# Allegro board LAY-29615_B4.brd (continued)
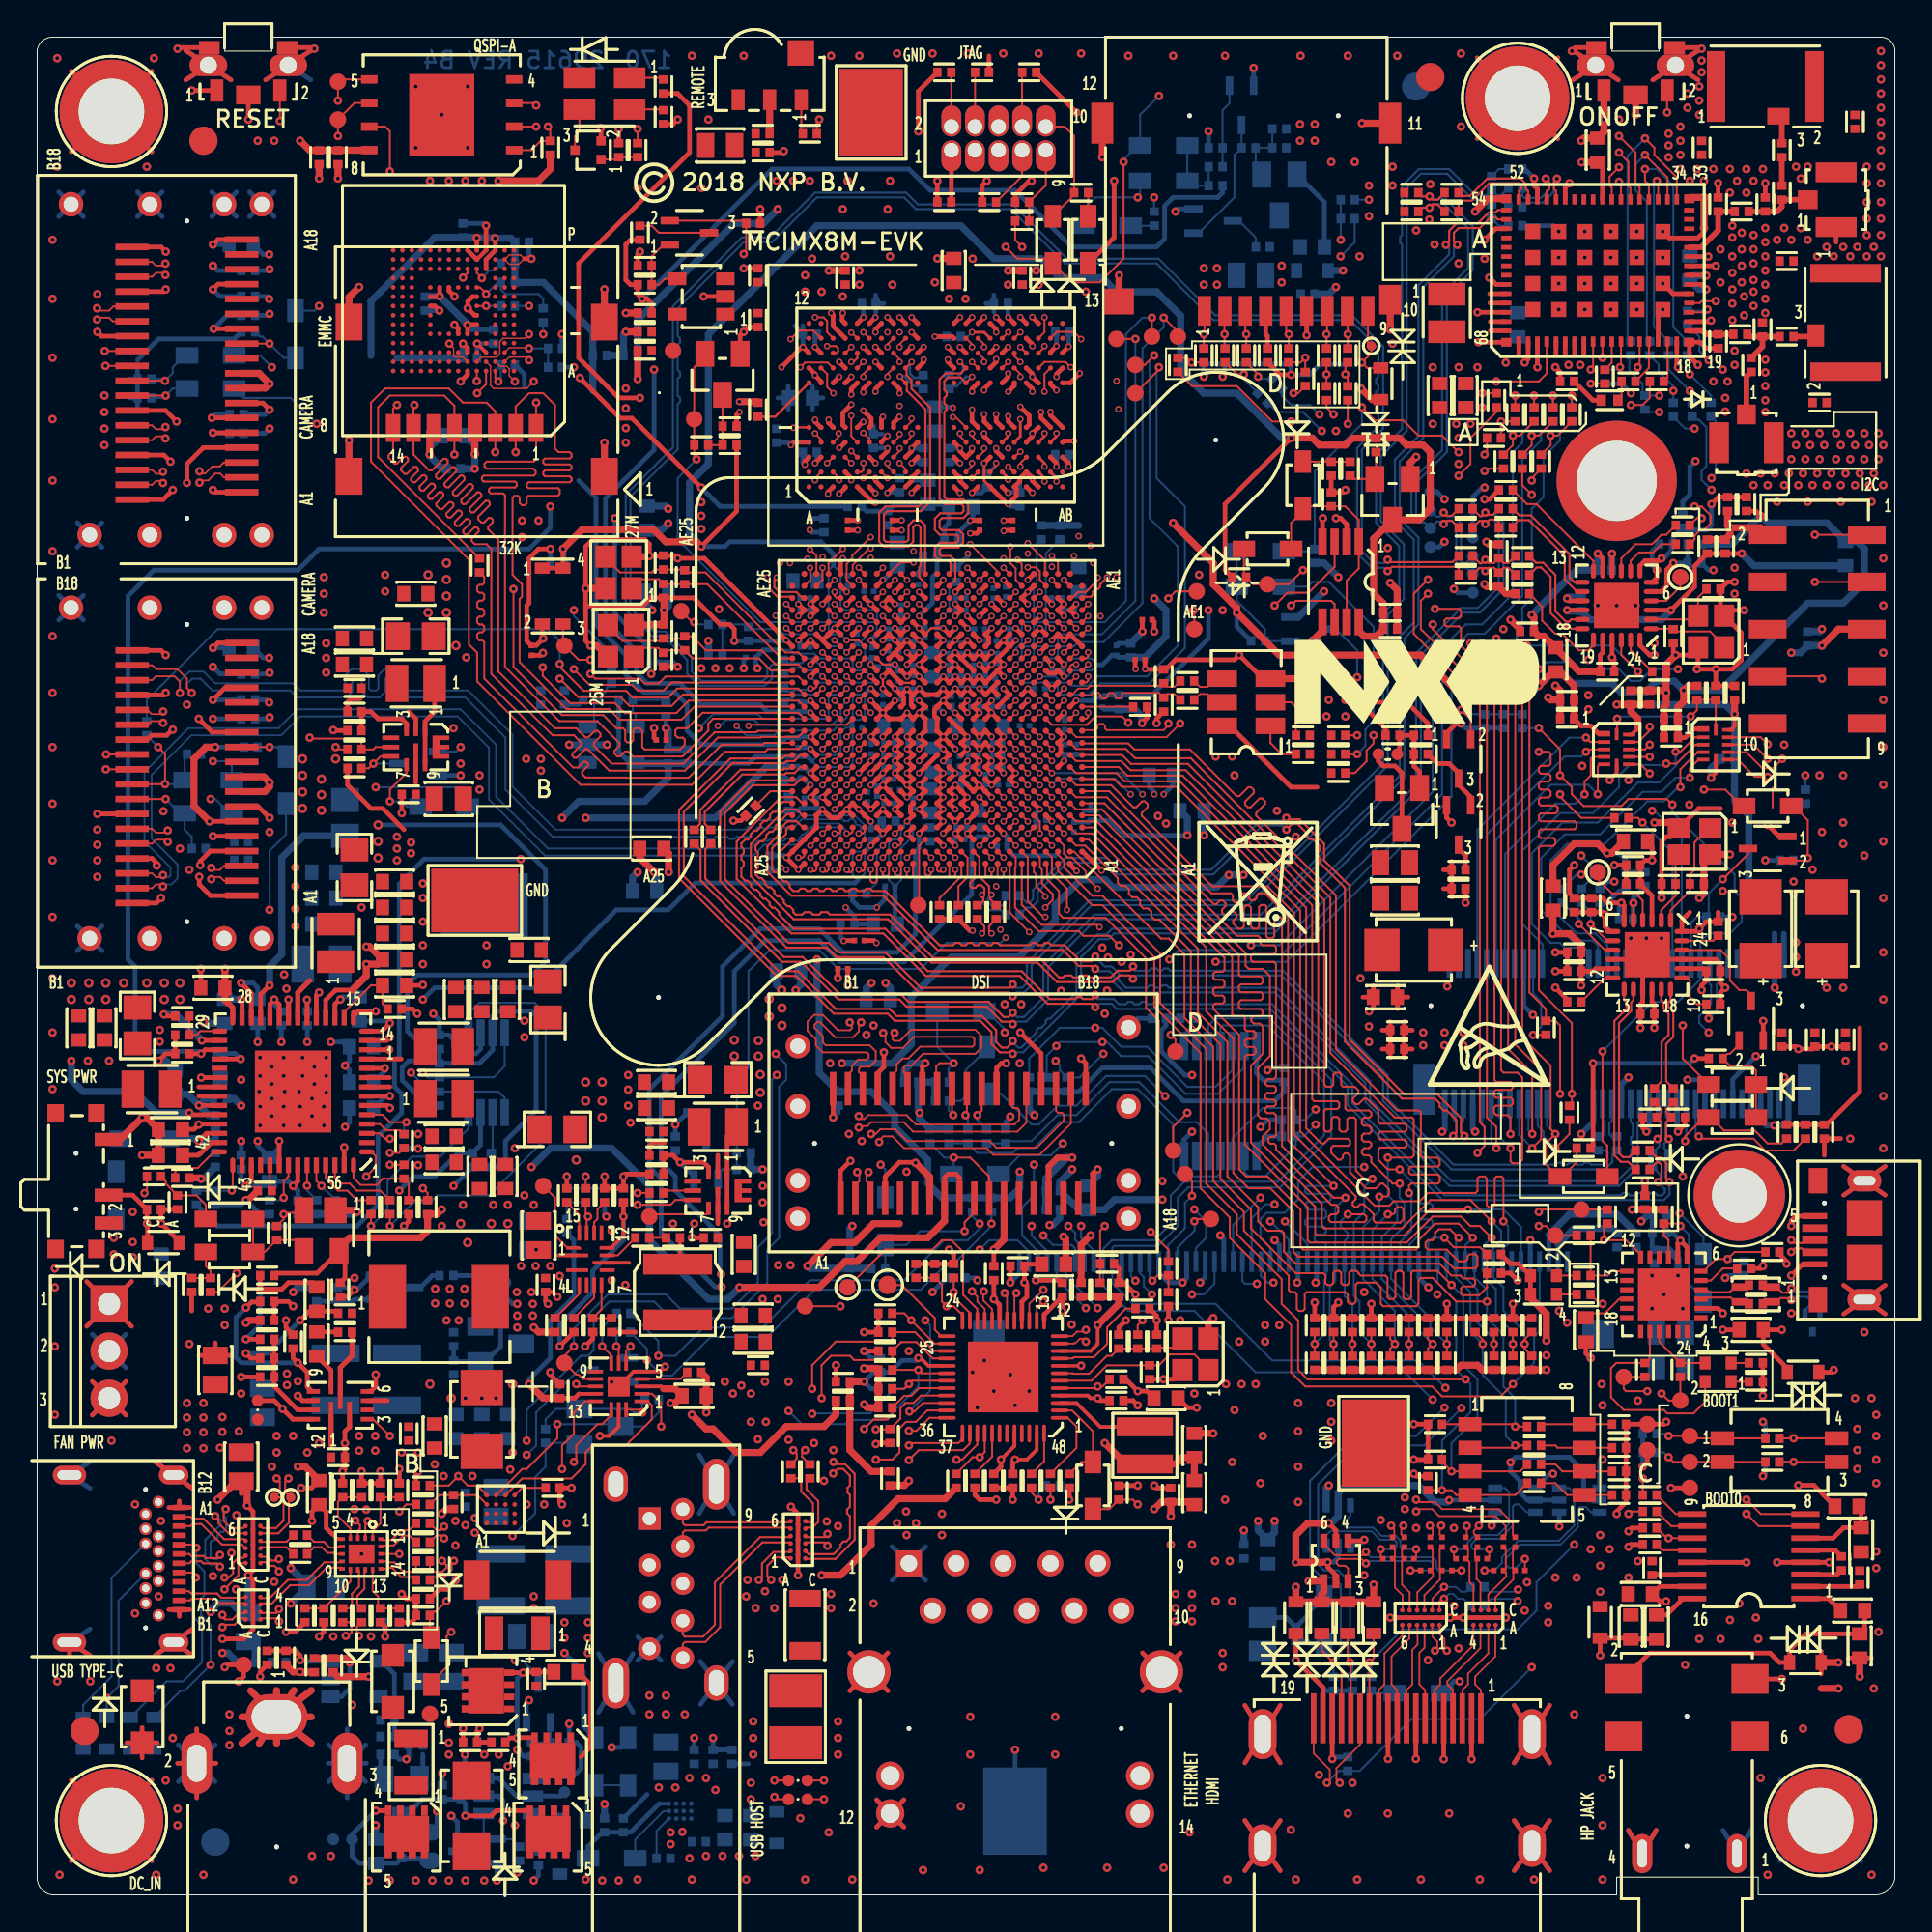
[diagram p0: board, top side]
## Footprints (pads in the part's own frame, mm; a bottom-side part is the same pattern mirrored in y, then rotated) (continued)
CON6_AUDJACK_RA_TH
  round 0.254 hole 1.499 unplated: (0.4,2.7) (7.4,2.7)
  oval 2.108x1.092 hole 1.499x0.508: 1(0,0) 4(0,5.1)
  rect 1.6x2.007 smd: 2(9.4,6.1) 3(9.4,-0.7) 5(6.3,6.1) 6(6.3,-0.7)
CON8_FLASH_1P1MM_SM
  rect 0.787x1.499 smd: P1(3.2,-1.95) P2(2.1,-1.95) P3(1,-1.95) P4(-0.1,-1.95) P5(-1.2,-1.95) P6(-2.3,-1.95) P7(-3.4,-1.95) P8(-4.5,-1.95)
  rect 1.448x1.981 smd: S1(6.875,-4.55) S2(-6.875,-4.55) S3(-6.875,3.75) S4(6.875,3.75)
CON9_SDCARD_1P1MM
  round 0.254 hole 0.991 unplated: (-4.95,-3.25) (3.05,-3.25)
  rect 0.711x1.6 smd: 1(2.25,7.25) 2(1.15,7.25) 3(0.05,7.25) 4(-1.05,7.25) 5(-2.15,7.25) 6(-3.25,7.25) 7(-4.35,7.25) 8(-5.45,7.25) 9(-6.55,7.25)
  rect 1.194x1.6 smd: 10(-7.75,6.65)
  rect 1.194x2.21 smd: 11(-7.75,-2.85) 12(7.75,-2.85)
  rect 1.6x1.397 smd: 13(6.85,6.75)
CON9_USBA_VER_7P32X25P7
  rect 1.219x1.219 hole 0.711: 1(0,0)
  round 1.219 hole 0.711: 2(0,-2.5) 3(0,-4.5) 4(0,-7) 5(1.8,-7.5) 6(1.8,-5.5) 7(1.8,-3.5) 8(1.8,-1.5) 9(1.8,0.5)
  oval 1.321x1.905 hole 0.813x1.397: S1(-1.81,1.85) S4(3.61,-8.85)
  oval 1.448x2.743 hole 0.813x2.108: S2(-1.81,-8.85) S3(3.61,1.85)
CON24_USB_TYPEC_RA_SMT_TH
  round 0.254 hole 0.66 unplated: (-6.775,-0.7) (0.675,-0.7)
  rect 0.305x0.711 smd: A1(-5.8,1.11) A2(-5.3,1.11) A3(-4.8,1.11) A4(-4.3,1.11) A5(-3.8,1.11) A6(-3.3,1.11) A7(-2.8,1.11) A8(-2.3,1.11) A9(-1.8,1.11) A10(-1.3,1.11) A11(-0.8,1.11) A12(-0.3,1.11)
  round 0.66 hole 0.406: B1(0,0) B2(-0.65,-0.7) B3(-1.45,-0.7) B4(-1.85,0) B5(-2.25,-0.7) B6(-2.65,0) B7(-3.45,0) B8(-3.85,-0.7) B9(-4.25,0) B10(-4.65,-0.7) B11(-5.45,-0.7) B12(-6.1,0)
  oval 1.016x1.6 hole 0.508x1.118: SH1(-7.55,0.81) SH2(1.45,0.81)
  oval 1.016x1.803 hole 0.508x1.295: SH3(-7.55,-4.8) SH4(1.45,-4.8)
CON_2RH_10_50
  oval 1.067x1.676 hole 0.787: 1(0,0) 2(0,1.27) 3(1.27,0) 4(1.27,1.27) 5(2.54,0) 6(2.54,1.27) 7(3.81,0) 8(3.81,1.27) 9(5.08,0) 10(5.08,1.27)
CON_3_UFL_R_SMT
  rect 1.016x1.067 smd: 1(0,1.524)
  rect 1.067x2.21 smd: 2(-1.476,0) 3(1.476,0)
CON_36_0P8_TH
  round 0.254 hole 1.549 unplated: (-8,0) (8,0)
  rect 0.356x1.803 smd: A1(-6.6,-2.95) A2(-5.8,-2.95) A3(-5,-2.95) A4(-4.2,-2.95) A5(-3.4,-2.95) A6(-2.6,-2.95) A7(-1.8,-2.95) A8(-1,-2.95) A9(-0.2,-2.95) A10(0.6,-2.95) A11(1.4,-2.95) A12(2.2,-2.95) A13(3,-2.95) A14(3.8,-2.95) A15(4.6,-2.95) A16(5.4,-2.95) A17(6.2,-2.95) A18(7,-2.95) B1(-7,2.95) B2(-6.2,2.95) B3(-5.4,2.95) B4(-4.6,2.95) B5(-3.8,2.95) B6(-3,2.95) B7(-2.2,2.95) B8(-1.4,2.95) B9(-0.6,2.95) B10(0.2,2.95) B11(1,2.95) B12(1.8,2.95) B13(2.6,2.95) B14(3.4,2.95) B15(4.2,2.95) B16(5,2.95) B17(5.8,2.95) B18(6.6,2.95)
  round 1.321 hole 0.813: T1(-8.9,-4.03) T2(-8.9,-2) T3(-8.9,2) T4(-8.9,5.24) T5(8.9,-4.03) T6(8.9,-2) T7(8.9,2) T8(8.9,6.24)
CON_75_0P5_22X9_RA
  rect 1.194x2.743 smd: (-10.35,2.825) (10.35,2.825)
  round 0.254 hole 1.092 unplated: (-10,-1.675)
  round 0.254 hole 1.6 unplated: (10,-1.675)
  rect 0.305x1.549 smd: 1(-9.25,3.6) 2(-9,-3.95) 3(-8.75,3.6) 4(-8.5,-3.95) 5(-8.25,3.6) 6(-8,-3.95) 7(-7.75,3.6) 8(-7.5,-3.95) 9(-7.25,3.6) 10(-7,-3.95) 11(-6.75,3.6) 12(-6.5,-3.95) 13(-6.25,3.6) 14(-6,-3.95) 15(-5.75,3.6) 16(-5.5,-3.95) 17(-5.25,3.6) 18(-5,-3.95) 19(-4.75,3.6) 20(-4.5,-3.95) 21(-4.25,3.6) 22(-4,-3.95) 23(-3.75,3.6) 32(-1.5,-3.95) 33(-1.25,3.6) 34(-1,-3.95) 35(-0.75,3.6) 36(-0.5,-3.95) 37(-0.25,3.6) 38(0,-3.95) 39(0.25,3.6) 40(0.5,-3.95) 41(0.75,3.6) 42(1,-3.95) 43(1.25,3.6) 44(1.5,-3.95) 45(1.75,3.6) 46(2,-3.95) 47(2.25,3.6) 48(2.5,-3.95) 49(2.75,3.6) 50(3,-3.95) 51(3.25,3.6) 52(3.5,-3.95) 53(3.75,3.6) 54(4,-3.95) 55(4.25,3.6) 56(4.5,-3.95) 57(4.75,3.6) 58(5,-3.95) 59(5.25,3.6) 60(5.5,-3.95) 61(5.75,3.6) 62(6,-3.95) 63(6.25,3.6) 64(6.5,-3.95) 65(6.75,3.6) 66(7,-3.95) 67(7.25,3.6) 68(7.5,-3.95) 69(7.75,3.6) 70(8,-3.95) 71(8.25,3.6) 72(8.5,-3.95) 73(8.75,3.6) 74(9,-3.95) 75(9.25,3.6)
CON_FPC_60F_0P5_SM_RA
  rect 1.702x1.524 smd: (-16.4,-2.15) (16.4,-2.15)
  rect 0.254x1.118 smd: 1(-14.75,1.75) 2(-14.25,1.75) 3(-13.75,1.75) 4(-13.25,1.75) 5(-12.75,1.75) 6(-12.25,1.75) 7(-11.75,1.75) 8(-11.25,1.75) 9(-10.75,1.75) 10(-10.25,1.75) 11(-9.75,1.75) 12(-9.25,1.75) 13(-8.75,1.75) 14(-8.25,1.75) 15(-7.75,1.75) 16(-7.25,1.75) 17(-6.75,1.75) 18(-6.25,1.75) 19(-5.75,1.75) 20(-5.25,1.75) 21(-4.75,1.75) 22(-4.25,1.75) 23(-3.75,1.75) 24(-3.25,1.75) 25(-2.75,1.75) 26(-2.25,1.75) 27(-1.75,1.75) 28(-1.25,1.75) 29(-0.75,1.75) 30(-0.25,1.75) 31(0.25,1.75) 32(0.75,1.75) 33(1.25,1.75) 34(1.75,1.75) 35(2.25,1.75) 36(2.75,1.75) 37(3.25,1.75) 38(3.75,1.75) 39(4.25,1.75) 40(4.75,1.75) 41(5.25,1.75) 42(5.75,1.75) 43(6.25,1.75) 44(6.75,1.75) 45(7.25,1.75) 46(7.75,1.75) 47(8.25,1.75) 48(8.75,1.75) 49(9.25,1.75) 50(9.75,1.75) 51(10.25,1.75) 52(10.75,1.75) 53(11.25,1.75) 54(11.75,1.75) 55(12.25,1.75) 56(12.75,1.75) 57(13.25,1.75) 58(13.75,1.75) 59(14.25,1.75) 60(14.75,1.75)
CON_RA_HDMI_19P_0P5_SM
  rect 0.305x2.692 smd: 1(4.5,5.375) 2(4,5.375) 3(3.5,5.375) 4(3,5.375) 5(2.5,5.375) 6(2,5.375) 7(1.5,5.375) 8(1,5.375) 9(0.5,5.375) 10(0,5.375) 11(-0.5,5.375) 12(-1,5.375) 13(-1.5,5.375) 14(-2,5.375) 15(-2.5,5.375) 16(-3,5.375) 17(-3.5,5.375) 18(-4,5.375) 19(-4.5,5.375)
  oval 1.499x2.692 hole 0.889x2.108: G1(7.25,4.525) G2(-7.25,4.525)
  oval 1.499x2.286 hole 0.889x1.676: G3(7.25,-1.475) G4(-7.25,-1.475)
CON_RJ45_10F_100_TH_RA
  round 0.254 hole 3.2 unplated: (-11.435,8.89) (-0.005,8.89)
  rect 1.397x1.397 hole 0.889: 1(0,0)
  round 1.397 hole 0.889: 2(-1.27,2.54) 3(-2.54,0) 4(-3.81,2.54) 5(-5.08,0) 6(-6.35,2.54) 7(-7.62,0) 8(-8.89,2.54) 9(-10.16,0) 10(-11.43,2.54)
  round 1.524 hole 1.016: 11(1.005,11.43) 12(1.005,13.46) 13(-12.445,11.43) 14(-12.445,13.46)
  round 2.337 hole 1.702: 15(-13.595,5.84) 16(2.155,5.84)
CON_USB_TYPE_B_SM
  round 0.254 hole 0.66 unplated: (-2,2.15) (2,2.15)
  rect 0.33x1.346 smd: 1(-1.3,2.675) 5(1.3,2.675)
  rect 0.406x1.346 smd: 2(-0.65,2.675) 3(0,2.675) 4(0.65,2.675)
  oval 1.143x1.829 hole 0.508x1.194: S1(-3.2,0) S2(3.2,0)
  rect 1.905x1.905 smd: S3(-1.2,0) S4(1.2,0)
  rect 1.372x0.991 smd: S5(-3.2,2.5) S6(3.2,2.5)
DFN3P3X3P3_8L_EX
  rect 0.559x0.356 smd: 1(-1.42,0.975) 2(-1.42,0.325) 3(-1.42,-0.325) 4(-1.42,-0.975)
  custom 2.28x2.45 smd: 5(0,0)
DFN15_0P4_2X3
  custom 0.813x0.203 smd: 1(-0.9,0.6)
  rect 1.194x0.203 smd: 2(-0.709,0.2) 3(-0.709,-0.6) 9(0.709,-0.2)
  rect 0.203x0.813 smd: 4(-0.6,-1.4) 5(-0.2,-1.4) 6(0.2,-1.4) 7(0.6,-1.4) 12(0.6,1.4) 13(0.2,1.4) 14(-0.2,1.4) 15(-0.6,1.4)
  rect 0.813x0.203 smd: 8(0.9,-0.6) 10(0.9,0.2) 11(0.9,0.6)
DHXQFN18_0P4_2X2P45
  custom 0.305x0.203 smd: 1(-0.85,0.6) 2(-0.85,0.2) 3(-0.85,-0.2) 4(-0.85,-0.6) 10(0.85,-0.6) 11(0.85,-0.2) 12(0.85,0.2) 13(0.85,0.6)
  custom 0.203x0.305 smd: 5(-0.8,-1.05) 6(-0.4,-1.05) 7(0,-1.05) 8(0.4,-1.05) 9(0.8,-1.05) 14(0.8,1.05) 15(0.4,1.05) 16(0,1.05) 17(-0.4,1.05) 18(-0.8,1.05)
  rect 1.016x1.397 smd: 19(0,0)
DIODE2_SOD523
  rect 0.61x0.813 smd: 1(-0.85,0) 2(0.85,0)
FBGA153_0P5_11P5X13
  round 0.254 smd: A1(-3.25,3.25) A2(-2.75,3.25) A3(-2.25,3.25) A4(-1.75,3.25) A5(-1.25,3.25) A6(-0.75,3.25) A7(-0.25,3.25) A8(0.25,3.25) A9(0.75,3.25) A10(1.25,3.25) A11(1.75,3.25) A12(2.25,3.25) A13(2.75,3.25) A14(3.25,3.25) B1(-3.25,2.75) B2(-2.75,2.75) B3(-2.25,2.75) B4(-1.75,2.75) B5(-1.25,2.75) B6(-0.75,2.75) B7(-0.25,2.75) B8(0.25,2.75) B9(0.75,2.75) B10(1.25,2.75) B11(1.75,2.75) B12(2.25,2.75) B13(2.75,2.75) B14(3.25,2.75) C1(-3.25,2.25) C2(-2.75,2.25) C3(-2.25,2.25) C4(-1.75,2.25) C5(-1.25,2.25) C6(-0.75,2.25) C7(-0.25,2.25) C8(0.25,2.25) C9(0.75,2.25) C10(1.25,2.25) C11(1.75,2.25) C12(2.25,2.25) C13(2.75,2.25) C14(3.25,2.25) D1(-3.25,1.75) D2(-2.75,1.75) D3(-2.25,1.75) D4(-1.75,1.75) D12(2.25,1.75) D13(2.75,1.75) D14(3.25,1.75) E1(-3.25,1.25) E2(-2.75,1.25) E3(-2.25,1.25) E5(-1.25,1.25) E6(-0.75,1.25) E7(-0.25,1.25) E8(0.25,1.25) E9(0.75,1.25) E10(1.25,1.25) E12(2.25,1.25) E13(2.75,1.25) E14(3.25,1.25) F1(-3.25,0.75) F2(-2.75,0.75) F3(-2.25,0.75) F5(-1.25,0.75) F10(1.25,0.75) F12(2.25,0.75) F13(2.75,0.75) F14(3.25,0.75) G1(-3.25,0.25) G2(-2.75,0.25) G3(-2.25,0.25) G5(-1.25,0.25) G10(1.25,0.25) G12(2.25,0.25) G13(2.75,0.25) G14(3.25,0.25) H1(-3.25,-0.25) H2(-2.75,-0.25) H3(-2.25,-0.25) H5(-1.25,-0.25) H10(1.25,-0.25) H12(2.25,-0.25) H13(2.75,-0.25) H14(3.25,-0.25) J1(-3.25,-0.75) J2(-2.75,-0.75) J3(-2.25,-0.75) J5(-1.25,-0.75) J10(1.25,-0.75) J12(2.25,-0.75) J13(2.75,-0.75) J14(3.25,-0.75) K1(-3.25,-1.25) K2(-2.75,-1.25) K3(-2.25,-1.25) K5(-1.25,-1.25) K6(-0.75,-1.25) K7(-0.25,-1.25) K8(0.25,-1.25) K9(0.75,-1.25) K10(1.25,-1.25) K12(2.25,-1.25) K13(2.75,-1.25) K14(3.25,-1.25) L1(-3.25,-1.75) L2(-2.75,-1.75) L3(-2.25,-1.75) L12(2.25,-1.75) L13(2.75,-1.75) L14(3.25,-1.75) M1(-3.25,-2.25) M2(-2.75,-2.25) M3(-2.25,-2.25) M4(-1.75,-2.25) M5(-1.25,-2.25) M6(-0.75,-2.25) M7(-0.25,-2.25) M8(0.25,-2.25) M9(0.75,-2.25) M10(1.25,-2.25) M11(1.75,-2.25) M12(2.25,-2.25) M13(2.75,-2.25) M14(3.25,-2.25) N1(-3.25,-2.75) N2(-2.75,-2.75) N3(-2.25,-2.75) N4(-1.75,-2.75) N5(-1.25,-2.75) N6(-0.75,-2.75) N7(-0.25,-2.75) N8(0.25,-2.75) N9(0.75,-2.75) N10(1.25,-2.75) N11(1.75,-2.75) N12(2.25,-2.75) N13(2.75,-2.75) N14(3.25,-2.75) P1(-3.25,-3.25) P2(-2.75,-3.25) P3(-2.25,-3.25) P4(-1.75,-3.25) P5(-1.25,-3.25) P6(-0.75,-3.25) P7(-0.25,-3.25) P8(0.25,-3.25) P9(0.75,-3.25) P10(1.25,-3.25) P11(1.75,-3.25) P12(2.25,-3.25) P13(2.75,-3.25) P14(3.25,-3.25)
FUSE_1P8_2P2X1P5
  rect 1.092x1.499 smd: 1(-0.896,0) 2(0.896,0)
FUSE_3P4X1P8
  rect 0.991x1.803 smd: 1(-1.25,0) 2(1.25,0)
HDR1X3_TH
  rect 2.007x2.007 hole 1.194: 1(0,0)
  round 2.007 hole 1.194: 2(0,-2.54) 3(0,-5.08)
HX2QFN16_0P4_2P7X2P7
  rect 0.813x0.203 smd: 1(-1.25,0.8) 2(-1.25,0.4) 3(-1.25,0) 4(-1.25,-0.4) 5(-1.25,-0.8) 9(1.25,-0.8) 10(1.25,-0.4) 11(1.25,0) 12(1.25,0.4) 13(1.25,0.8)
  rect 0.203x0.813 smd: 6(-0.4,-1.25) 7(0,-1.25) 8(0.4,-1.25) 14(0.4,1.25) 15(0,1.25) 16(-0.4,1.25)
  rect 1.194x1.092 smd: 17(0,0)
IND2_4P3X4P3
  rect 1.118x3.708 smd: 1(-1.5,0) 2(1.5,0)
IND4_CHOKE_0805
  rect 0.914x0.406 smd: 1(-0.85,-0.4) 2(0.85,-0.4) 3(0.85,0.4) 4(-0.85,0.4)
IND_IHLP
  rect 2.007x3.429 smd: 1(-2.794,0) 2(2.743,0)
IND_SPH2520
  rect 1.219x2.007 smd: 1(-1.01,0) 2(1.01,0)
IND_VLS3012_SM
  rect 1.016x3.023 smd: 1(-1,0) 2(1,0)
LED_1X0P6_SM
  rect 0.508x0.61 smd: A(0.45,0) C(-0.45,0)
LED_0606
  rect 0.6x0.7 smd: 1(-0.7,0.5) 2(0.7,0.5) 3(-0.7,-0.5) 4(0.7,-0.5)
LED_DUAL_3025MM_SM
  rect 1.702x1.118 smd: 1(-1.35,-0.85) 2(1.35,-0.85) 3(-1.35,0.85) 4(1.35,0.85)
MH194-116T
  round 4.928 hole 2.946: 1(0,0)
MH244-166T
  round 6.477 hole 4.318: 1(0,0)
OSC6_1P27_5P2X3P4
  rect 1.6x0.889 smd: 1(-1.3,1.27) 2(-1.3,0) 3(-1.3,-1.27) 4(1.3,-1.27) 5(1.3,0) 6(1.3,1.27)
QFN12_0P5_2X3MM_EP
  rect 0.711x0.254 smd: 1(-0.95,0.5) 2(-0.95,0) 3(-0.95,-0.5) 7(0.95,-0.5) 8(0.95,0) 9(0.95,0.5)
  rect 0.254x0.914 smd: 4(-0.5,-1.35) 5(0,-1.35) 6(0.5,-1.35)
  custom 1.25x0.9 smd: 10(0,1.35)
  rect 0.406x0.254 smd: 11(0,0)
QFN12_0P5_3P1X2P1
  rect 0.254x1.499 smd: 1(0.5,0.55) 2(-0.5,0.55) 7(0,-0.55)
  rect 0.711x0.254 smd: 3(-1.45,0.75) 4(-1.45,0.25) 5(-1.45,-0.25) 6(-1.45,-0.75) 9(1.45,-0.75) 10(1.45,-0.25) 11(1.45,0.25) 12(1.45,0.75)
  rect 0.254x0.711 smd: 8(0.5,-0.95)
QFN24_0P5_4X4_EP
  rect 0.711x0.279 smd: 1(-2,1.25) 2(-2,0.75) 3(-2,0.25) 4(-2,-0.25) 5(-2,-0.75) 6(-2,-1.25) 13(2,-1.25) 14(2,-0.75) 15(2,-0.25) 16(2,0.25) 17(2,0.75) 18(2,1.25)
  rect 0.279x0.711 smd: 7(-1.25,-2) 8(-0.75,-2) 9(-0.25,-2) 10(0.25,-2) 11(0.75,-2) 12(1.25,-2) 19(1.25,2) 20(0.75,2) 21(0.25,2) 22(-0.25,2) 23(-0.75,2) 24(-1.25,2)
  rect 2.794x2.794 smd: 25(0,0)
QFN24_0P5_4X4_EP2P2
  oval 0.813x0.279 smd: 1(-1.86,1.25) 2(-1.86,0.75) 3(-1.86,0.25) 4(-1.86,-0.25) 5(-1.86,-0.75) 6(-1.86,-1.25) 13(1.86,-1.25) 14(1.86,-0.75) 15(1.86,-0.25) 16(1.86,0.25) 17(1.86,0.75) 18(1.86,1.25)
  oval 0.279x0.813 smd: 7(-1.25,-1.86) 8(-0.75,-1.86) 9(-0.25,-1.86) 10(0.25,-1.86) 11(0.75,-1.86) 12(1.25,-1.86) 19(1.25,1.86) 20(0.75,1.86) 21(0.25,1.86) 22(-0.25,1.86) 23(-0.75,1.86) 24(-1.25,1.86)
  rect 2.438x2.438 smd: 25(0,0)
QFN48_0P4_6X6MM_EPAD
  oval 0.965x0.203 smd: 1(-3.038,2.2) 2(-3.038,1.8) 3(-3.038,1.4) 4(-3.038,1) 5(-3.038,0.6) 6(-3.038,0.2) 7(-3.038,-0.2) 8(-3.038,-0.6) 9(-3.038,-1) 10(-3.038,-1.4) 11(-3.038,-1.8) 12(-3.038,-2.2) 25(3.038,-2.2) 26(3.038,-1.8) 27(3.038,-1.4) 28(3.038,-1) 29(3.038,-0.6) 30(3.038,-0.2) 31(3.038,0.2) 32(3.038,0.6) 33(3.038,1) 34(3.038,1.4) 35(3.038,1.8) 36(3.038,2.2)
  oval 0.203x0.965 smd: 13(-2.2,-3.038) 14(-1.8,-3.038) 15(-1.4,-3.038) 16(-1,-3.038) 17(-0.6,-3.038) 18(-0.2,-3.038) 19(0.2,-3.038) 20(0.6,-3.038) 21(1,-3.038) 22(1.4,-3.038) 23(1.8,-3.038) 24(2.2,-3.038) 37(2.2,3.038) 38(1.8,3.038) 39(1.4,3.038) 40(1,3.038) 41(0.6,3.038) 42(0.2,3.038) 43(-0.2,3.038) 44(-0.6,3.038) 45(-1,3.038) 46(-1.4,3.038) 47(-1.8,3.038) 48(-2.2,3.038)
  rect 3.81x3.81 smd: 49(0,0)
QFN56_0P5_8X8_EP4P1X4P4
  oval 0.838x0.279 smd: 1(-3.969,3.25) 14(-3.969,-3.25) 29(3.969,-3.25) 42(3.969,3.25)
  rect 0.838x0.279 smd: 2(-3.969,2.75) 3(-3.969,2.25) 4(-3.969,1.75) 5(-3.969,1.25) 6(-3.969,0.75) 7(-3.969,0.25) 8(-3.969,-0.25) 9(-3.969,-0.75) 10(-3.969,-1.25) 11(-3.969,-1.75) 12(-3.969,-2.25) 13(-3.969,-2.75) 30(3.969,-2.75) 31(3.969,-2.25) 32(3.969,-1.75) 33(3.969,-1.25) 34(3.969,-0.75) 35(3.969,-0.25) 36(3.969,0.25) 37(3.969,0.75) 38(3.969,1.25) 39(3.969,1.75) 40(3.969,2.25) 41(3.969,2.75)
  oval 0.279x0.838 smd: 15(-3.25,-3.969) 28(3.25,-3.969) 43(3.25,3.969) 56(-3.25,3.969)
  rect 0.279x0.838 smd: 16(-2.75,-3.969) 17(-2.25,-3.969) 18(-1.75,-3.969) 19(-1.25,-3.969) 20(-0.75,-3.969) 21(-0.25,-3.969) 22(0.25,-3.969) 23(0.75,-3.969) 24(1.25,-3.969) 25(1.75,-3.969) 26(2.25,-3.969) 27(2.75,-3.969) 44(2.75,3.969) 45(2.25,3.969) 46(1.75,3.969) 47(1.25,3.969) 48(0.75,3.969) 49(0.25,3.969) 50(-0.25,3.969) 51(-0.75,3.969) 52(-1.25,3.969) 53(-1.75,3.969) 54(-2.25,3.969) 55(-2.75,3.969)
  rect 4.115x4.42 smd: 57(0,0)
QFN92_0P5X11P1X8P9
  rect 0.254x0.559 smd: 1(-4.25,-3.825) 2(-3.75,-3.825) 3(-3.25,-3.825) 4(-2.75,-3.825) 5(-2.25,-3.825) 6(-1.75,-3.825) 7(-1.25,-3.825) 8(-0.75,-3.825) 9(-0.25,-3.825) 10(0.25,-3.825) 11(0.75,-3.825) 12(1.25,-3.825) 13(1.75,-3.825) 14(2.25,-3.825) 15(2.75,-3.825) 16(3.25,-3.825) 17(3.75,-3.825) 18(4.25,-3.825) 35(4.25,3.825) 36(3.75,3.825) 37(3.25,3.825) 38(2.75,3.825) 39(2.25,3.825) 40(1.75,3.825) 41(1.25,3.825) 42(0.75,3.825) 43(0.25,3.825) 44(-0.25,3.825) 45(-0.75,3.825) 46(-1.25,3.825) 47(-1.75,3.825) 48(-2.25,3.825) 49(-2.75,3.825) 50(-3.25,3.825) 51(-3.75,3.825) 52(-4.25,3.825)
  rect 0.559x0.483 smd: 19(4.925,-3.863) 34(4.925,3.863) 53(-4.925,3.863) 68(-4.925,-3.863)
  rect 0.559x0.254 smd: 20(4.925,-3.25) 21(4.925,-2.75) 22(4.925,-2.25) 23(4.925,-1.75) 24(4.925,-1.25) 25(4.925,-0.75) 26(4.925,-0.25) 27(4.925,0.25) 28(4.925,0.75) 29(4.925,1.25) 30(4.925,1.75) 31(4.925,2.25) 32(4.925,2.75) 33(4.925,3.25) 54(-4.925,3.25) 55(-4.925,2.75) 56(-4.925,2.25) 57(-4.925,1.75) 58(-4.925,1.25) 59(-4.925,0.75) 60(-4.925,0.25) 61(-4.925,-0.25) 62(-4.925,-0.75) 63(-4.925,-1.25) 64(-4.925,-1.75) 65(-4.925,-2.25) 66(-4.925,-2.75) 67(-4.925,-3.25)
  rect 0.813x0.813 smd: 69(-3.5,-2.1) 70(-2.1,-2.1) 71(-0.7,-2.1) 72(0.7,-2.1) 73(2.1,-2.1) 74(3.5,-2.1) 75(3.5,-0.7) 76(3.5,0.7) 77(3.5,2.1) 78(2.1,2.1) 79(0.7,2.1) 80(-0.7,2.1) 81(-2.1,2.1) 82(-3.5,2.1) 83(-3.5,0.7) 84(-3.5,-0.7) 85(-2.1,-0.7) 86(-0.7,-0.7) 87(0.7,-0.7) 88(2.1,-0.7) 89(2.1,0.7) 90(0.7,0.7) 91(-0.7,0.7) 92(-2.1,0.7)
RC0402_25
  round 0.635 smd: 1(-0.508,0) 2(0.508,0)
RCVR_SM_IRM_V5
  rect 0.711x1.118 smd: 1(1.7,-1.6) 2(0,-1.6) 3(-1.7,-1.6)
  rect 1.422x1.372 smd: 4(1.68,0.916)
SH0805
  rect 1.295x1.499 smd: 1(-0.965,0) 2(0.965,0)
SMA
  rect 2.032x2.032 smd: A(1.905,0) C(-1.905,0)
SOD123W
  rect 1.219x1.219 smd: A(1.4,0) C(-1.4,0)
SOD323
  rect 0.889x1.219 smd: A(0,1.27) C(0,-1.27)
SOD523
  rect 0.61x0.813 smd: A(0.85,0) C(-0.85,0)
SOD-128
  rect 1.397x2.108 smd: A(-2.2,0) C(2.2,0)
SOD-923
  rect 0.305x0.406 smd: A(-0.45,0) C(0.45,0)
SOT23-6
  rect 0.61x1.118 smd: 1(-0.95,-1.321) 2(0,-1.321) 3(0.95,-1.321) 4(0.95,1.321) 5(0,1.321) 6(-0.95,1.321)
SOT323_3
  rect 0.406x0.991 smd: 1(0.65,-1.06) 2(-0.65,-1.06) 3(0,1.06)
SOT-23
  rect 1.016x1.397 smd: 1(-0.95,-1.1) 2(0.95,-1.1) 3(0,1.1)
SOT-23-5
  rect 0.686x0.991 smd: 1(-0.953,-1.295) 2(0,-1.295) 3(0.953,-1.295) 4(0.953,1.295) 5(-0.953,1.295)
SOT-363_0P65_SMT
  rect 0.762x0.381 smd: 1(-1.085,0.65) 2(-1.085,0) 3(-1.085,-0.65) 4(1.085,-0.65) 5(1.085,0) 6(1.085,0.65)
SOT-723
  rect 0.279x0.533 smd: 1(-0.4,-0.49) 2(0.4,-0.49)
  rect 0.356x0.508 smd: 3(0,0.49)
SOT_143
  rect 1.219x1.397 smd: 1(-0.75,-1.1)
  rect 1.016x1.397 smd: 2(0.95,-1.1) 3(0.95,1.1) 4(-0.95,1.1)
SOT_523
  rect 0.508x0.508 smd: 1(-0.5,-0.7) 2(0.5,-0.7) 3(0,0.7)
SPACER_139T
  round 5.588 hole 3.531: 1(0,0)
SW2_3P4_TACT_SM_NSP
  rect 0.711x1.194 smd: 1(1.7,1.36) 2(-1.7,1.36)
  rect 1.321x1.016 smd: 3(0,1.6)
  rect 1.118x0.711 smd: 4(-2.1,-0.95) 5(2.1,-0.95)
  oval 2.032x1.168 hole 0.914: 6(-2.15,0) 7(2.15,0)
SW_DIP2_SM
  rect 0.762x1.27 smd: 1(-0.635,-3.073) 2(0.635,-3.073) 3(0.635,3.073) 4(-0.635,3.073)
SW_SPDT_RA
  rect 0.991x0.889 smd: (-3.65,1.1) (-3.65,-1.1) (3.65,1.1) (3.65,-1.1)
  round 0.254 hole 0.889 unplated: (-1.5,0) (1.5,0)
  rect 0.711x1.499 smd: 1(-2.25,1.75) 2(0.75,1.75) 3(2.25,1.75)
TEST_PIN_TP107
  rect 4.699x3.429 smd: 1(0,0)
TESTPOINT_35MIL
  round 0.889 smd: 1(0,0)
TESTPOINT_39MIL
  round 0.991 smd: 1(0,0)
TPAD_020
  round 0.508 smd: 1(0,0)
TSSOP8_A
  rect 1.448x0.457 smd: 1(-2.15,0.975) 2(-2.15,0.325) 3(-2.15,-0.325) 4(-2.15,-0.975) 5(2.15,-0.975) 6(2.15,-0.325) 7(2.15,0.325) 8(2.15,0.975)
TSSOP14
  rect 1.524x0.457 smd: 1(-2.959,1.951) 2(-2.959,1.3) 3(-2.959,0.65) 4(-2.959,0) 5(-2.959,-0.65) 6(-2.959,-1.3) 7(-2.959,-1.951) 8(2.959,-1.951) 9(2.959,-1.3) 10(2.959,-0.65) 11(2.959,0) 12(2.959,0.65) 13(2.959,1.3) 14(2.959,1.951)
TSSOP16
  rect 1.524x0.305 smd: 1(-3.048,2.276) 2(-3.048,1.626) 3(-3.048,0.975) 4(-3.048,0.325) 5(-3.048,-0.325) 6(-3.048,-0.975) 7(-3.048,-1.626) 8(-3.048,-2.276) 9(3.048,-2.276) 10(3.048,-1.626) 11(3.048,-0.975) 12(3.048,-0.325) 13(3.048,0.325) 14(3.048,0.975) 15(3.048,1.626) 16(3.048,2.276)
unnamed#2
  round 1.524 smd: (0,0)
WLCSP10_0P4_1P2X1P6MM_SMDP
  round 0.254 smd: A1(0.4,0.6) A2(0.4,0.2) A3(0.4,-0.2) A4(0.4,-0.6) B1(0,0.4) B2(0,-0.4) C1(-0.4,0.6) C2(-0.4,0.2) C3(-0.4,-0.2) C4(-0.4,-0.6)
WLCSP12_0P4_1P38X1P68MM_SMDP
  round 0.254 smd: A1(-0.4,0.6) A2(0,0.6) A3(0.4,0.6) B1(-0.4,0.2) B2(0,0.2) B3(0.4,0.2) C1(-0.4,-0.2) C2(0,-0.2) C3(0.4,-0.2) D1(-0.4,-0.6) D2(0,-0.6) D3(0.4,-0.6)
WLCSP15_0P4_2P42X1P22_SMDP
  round 0.254 smd: A1(-1,0.4) A2(-0.6,0.4) A3(-0.2,0.4) A4(0.2,0.4) A5(0.6,0.4) A6(1,0.4) B1(-0.8,0) B2(0,0) B3(0.8,0) C1(-1,-0.4) C2(-0.6,-0.4) C3(-0.2,-0.4) C4(0.2,-0.4) C5(0.6,-0.4) C6(1,-0.4)
WPDFN8_1P27_8X6MM
  rect 0.889x0.457 smd: 1(-3.901,1.905) 2(-3.901,0.635) 3(-3.901,-0.635) 4(-3.901,-1.905) 5(3.901,-1.905) 6(3.901,-0.635) 7(3.901,0.635) 8(3.901,1.905)
  rect 3.505x4.394 smd: 9(0,0)
XQFN12_0P4_1P8X2P1
  rect 0.66x0.305 smd: 1(-0.675,0.85)
  rect 0.66x0.203 smd: 2(-0.675,0.4) 3(-0.675,0) 4(-0.675,-0.4) 5(-0.675,-0.8) 7(0.675,-0.8) 8(0.675,-0.4) 9(0.675,0) 10(0.675,0.4) 11(0.675,0.8)
  rect 0.203x0.66 smd: 6(0,-0.825) 12(0,0.825)
XTAL4_2P6X2P1MM_SM
  rect 1.194x1.092 smd: 1(-0.85,-0.7) 2(0.85,-0.7) 3(0.85,0.7) 4(-0.85,0.7)
XTAL_3P4X1P7_SM
  rect 0.61x0.813 smd: 1(-1.505,-0.557) 2(1.505,-0.557) 3(1.505,0.557) 4(-1.505,0.557)
